# Altium PCB PCB.PcbDoc (part 1 of 3) (continued)
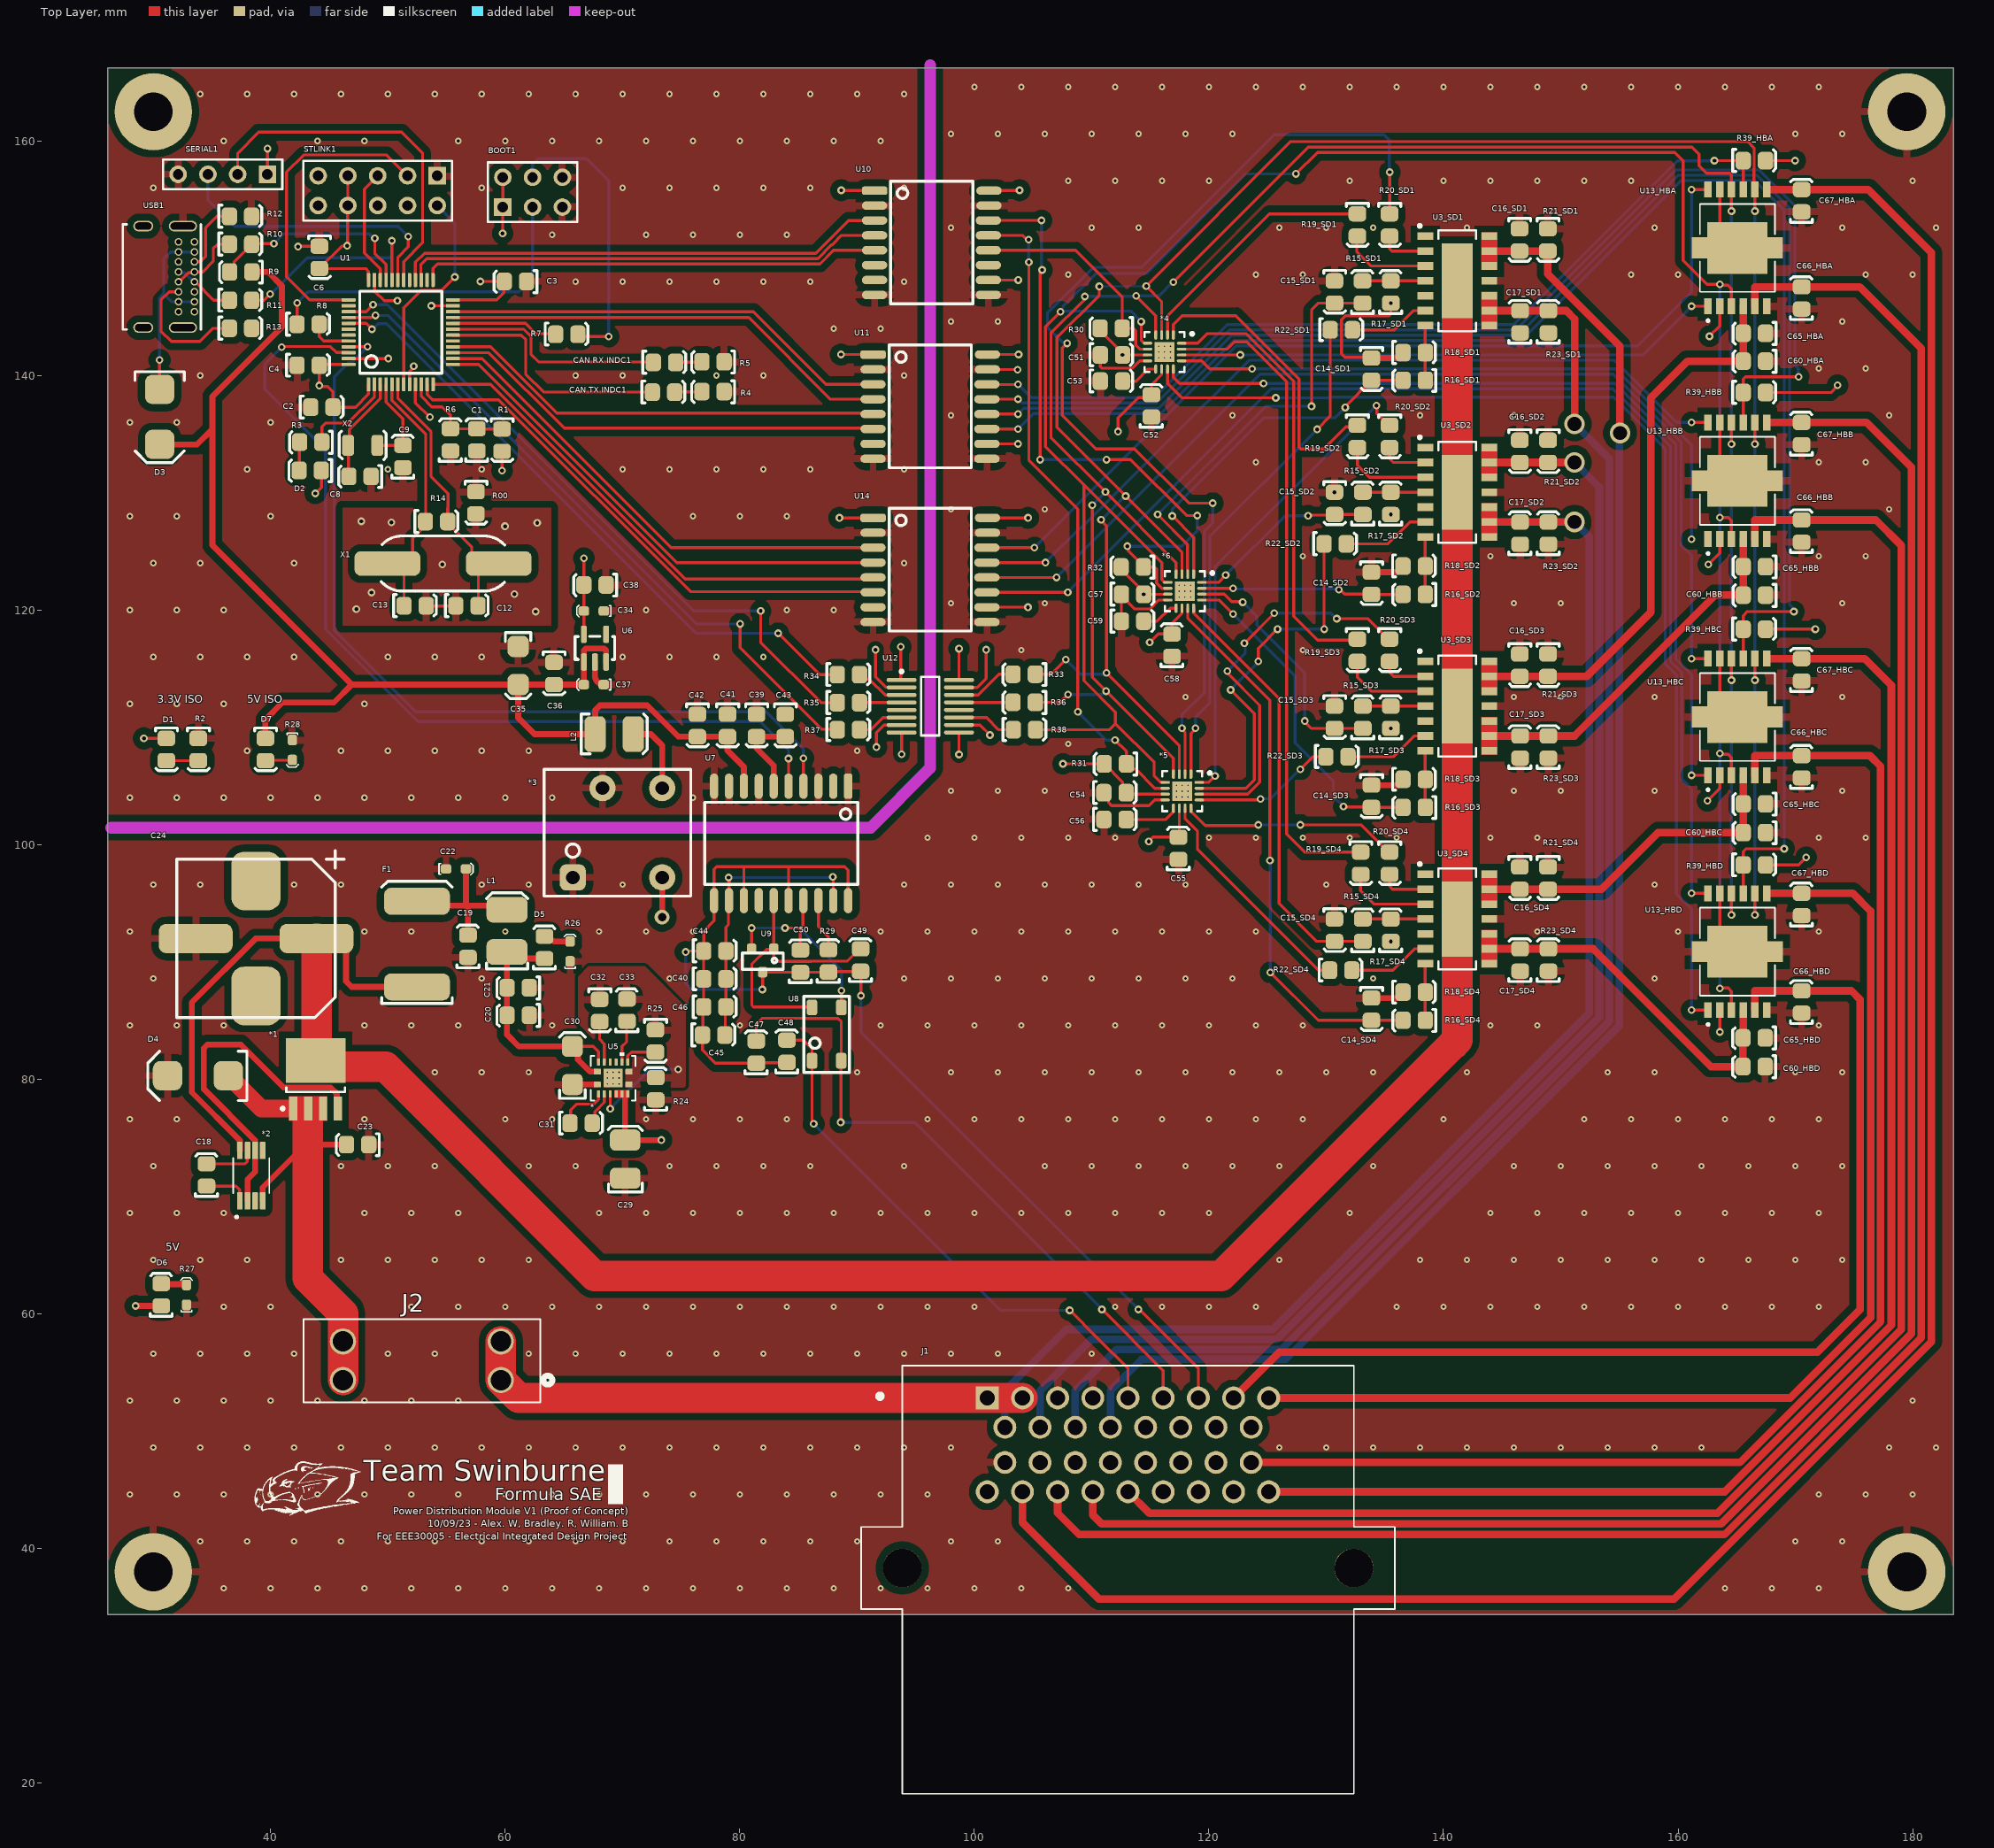
[diagram p0: Top Layer view]
## Footprints (in the part's own frame and the unit in brackets; to place one, negate y for a bottom-side part, rotate by r counter-clockwise, add the part's x,y. Pads: shape width x height; smd on the part's side, far side on the other; paste and mask are expansions set on the pad)
0603 [mm]
  rrect50% 0.9x0.8 smd: 1(0,0) 2(1.7,0)
  silkscreen extent -0.6,-0.5 2.3,0.5, body extent 0.05,-0.42 1.65,0.43, height 0.6
0805 [mm]
  rrect50% 1.3x1.5 smd: 1(-0.962,-0.026) 2(0.938,-0.026)
  silkscreen extent -1.85,-0.95 1.8,0.93, body extent -1,-0.65 1,0.66, height 0.73
"0805 LED" [mm]
  rrect50% 1.3x1.5 smd: A(-0.962,-0.026) K(0.938,-0.026)
  silkscreen extent -1.85,-0.95 1.8,0.93, body extent -1.09,-0.63 0.91,0.62, height 1
"1206 CAP" [mm]
  rrect50% 1.8x1.8 smd: 1(-2.81,0) 2(0.44,0)
  silkscreen extent -3.99,-1.09 1.62,1.09, body extent -2.75,-0.79 0.45,0.81, height 1.61
1210 [mm]
  rrect50% 1.8x2.6 smd: 1(-2.81,0) 2(0.44,0)
  silkscreen extent -3.99,-1.46 1.62,1.46, body extent -2.77,-1.26 0.43,1.24, height 2.51
1812 [mm]
  rrect50% 2.2x3.5 smd: 1(-1.8,0) 2(1.8,0)
  silkscreen extent -3.25,-1.75 3.25,1.75, body extent -2.25,-1.6 2.25,1.6, height 2.5
2920 [mm]
  rrect50% 2.3x5.6 smd: 1(0,0) 2(7.3,0)
  silkscreen extent -1.4,-3 9,3, body extent -0.34,-2.81 7.64,2.81, height 1.14
35572 [mil]
  round 88 / inner round 60 / far side round 88 hole 68 paste-44 mask+0: 1(0,0) 2(0,-130) 3(530,0) 4(530,-130)
  silkscreen extent -172,-205 662,75
82473C [mm]
  rrect50% 1.8x3.05 smd: 1(-2.81,0) 2(0.44,0)
  silkscreen extent -3.99,-1.68 1.62,1.73, body extent -2.81,-1.25 0.45,1.26, height 2
6437288-1 [mm]
  rect 1.95x1.95 hole 1.3: 1(-12,4)
  round 1.95 hole 1.3: 2(-9,4) 3(-6,4) 4(-3,4) 5(0,4) 6(3,4) 7(6,4) 8(9,4) 9(12,4) 10(-10.5,1.5) 11(-7.5,1.5) 12(-4.5,1.5) 13(-1.5,1.5) 14(1.5,1.5) 15(4.5,1.5) 16(7.5,1.5) 17(10.5,1.5) 18(-10.5,-1.5) 19(-7.5,-1.5) 20(-4.5,-1.5) 21(-1.5,-1.5) 22(1.5,-1.5) 23(4.5,-1.5) 24(7.5,-1.5) 25(10.5,-1.5) 26(-12,-4) 27(-9,-4) 28(-6,-4) 29(-3,-4) 30(0,-4) 31(3,-4) 32(6,-4) 33(9,-4) 34(12,-4)
  round 3.3 hole 3.3 unplated: ""(-19.25,-10.5) ""(19.25,-10.5)
  silkscreen extent -22.75,-29.75 22.75,6.75
"Abracon HC-49/US" [mm]
  rrect50% 5.6x2.1 smd: 1(-4.75,0) 2(4.75,0)
  silkscreen extent -5.27,-2.35 5.25,2.35, body extent -6.35,-2.35 6.35,2.35, height 4.06
"AD 16-SOIC" [mil]
  rrect50% 28x85 smd: 1(-225,-192.02)
  oval 28x85 smd: 2(-175,-192.02) 3(-125,-192.02) 4(-75,-192.02) 5(-25,-192.02) 6(25,-192.02) 7(75,-192.02) 8(125,-192.02) 9(125,190) 10(75,189.96) 11(25,189.96) 12(-25,189.96) 13(-75,189.96) 14(-125,189.96) 15(-175,191.98) 16(-225,191.98)
  silkscreen extent -257,-138 155,138, body extent -256,-209 156,209, height 104
"AD SOIC-W 20" [mil]
  rrect50% 28x85 smd: 1(-225,-192.02)
  oval 28x85 smd: 2(-175,-192.02) 3(-125,-192.02) 4(-75,-192.02) 5(-25,-192.02) 6(25,-192.02) 7(75,-192.02) 8(125,-192.02) 9(175,-192.02) 10(225,-192.02) 11(225,192.02) 12(175,191.98) 13(125,191.98) 14(75,191.98) 15(25,191.98) 16(-25,191.98) 17(-75,191.98) 18(-125,191.98) 19(-175,191.98) 20(-225,191.98)
  silkscreen extent -257,-138 256,138, body extent -260,-210 260,210, height 105
ADI-RQ-16_M [mm] "SOP, 16-Leads, Body 4.9x3.9mm, Pitch 0.64mm, IPC Low Density"
  oval 2.55x0.35 smd: 1(-2.45,2.24) 2(-2.45,1.6) 3(-2.45,0.96) 4(-2.45,0.32) 5(-2.45,-0.32) 6(-2.45,-0.96) 7(-2.45,-1.6) 8(-2.45,-2.24) 9(2.45,-2.24) 10(2.45,-1.6) 11(2.45,-0.96) 12(2.45,-0.32) 13(2.45,0.32) 14(2.45,0.96) 15(2.45,1.6) 16(2.45,2.24)
  silkscreen extent -2.57,-2.5 0.77,3.09, body extent -2,-2.5 2,2.5, height 1.75
CONV_IFX9201SGAUMA1 [mm]
  rect 1.35x0.65 smd: 1(-4.975,2.5) 2(-4.975,1.5) 3(-4.975,0.5) 4(-4.975,-0.5) 5(-4.975,-1.5) 6(-4.975,-2.5) 7(4.975,-2.5) 8(4.975,-1.5) 9(4.975,-0.5) 10(4.975,0.5) 11(4.975,1.5) 12(4.975,2.5)
  rect 4.4x5.1 smd paste-4: 13(0,0)
  rect 1.8x1.35 smd paste-2: 13.1(0,3.225) 13.2(0,-3.225)
  silkscreen extent -6.3,-3.2 3.75,3.2, body extent -5.15,-3.9 5.15,3.9, height 2.6
"EPSON 2-SMD" [mm]
  rrect50% 1x1.8 smd: 1(-1.25,0) 2(1.25,0)
  silkscreen extent -2,-1.2 2,1.2, body extent -1.5,-1 1.5,1, height 1
MAXM17631AME+T [mil]
  rrect25% 24x10 smd paste-5 mask+0: 1(-53.15,49.21) 2(-53.15,29.53) 3(-53.15,9.84) 4(-53.15,-9.84) 5(-53.15,-29.53) 6(-53.15,-49.21) 9(53.15,-49.21) 10(53.15,-29.53) 11(53.15,-9.84) 12(53.15,9.84) 13(53.15,29.53) 14(53.15,49.21)
  rrect25% 20x24 smd paste+0 mask+0: 7(-21.65,-53.15) 8(21.65,-53.15) 15(21.65,53.15) 16(-21.65,53.15)
  rect 63x63 smd paste+0 mask+0: 17(0,0)
  silkscreen extent -75,-75 85,75, body extent -62,-62 62,62, height 71
NKE0505DC [mm] "DC DC CONVERTER 5V 1W"
  rrect50% 2.24x2.24 hole 1.15: 1(0,0)
  round 2.24 hole 1.15: 4(7.62,0) 5(7.62,7.62) 7(2.54,7.62)
  silkscreen extent -2.44,-1.59 10.06,9.21, body extent -1.94,-1.11 9.56,8.71, height 5.42
"ON SOT-23" [mm] "NUP2105L"
  rrect50% 0.8x0.9 smd: 1(-0.95,-1) 2(0.95,-1) 3(0,1)
  silkscreen extent -1.75,-0.65 1.75,0.75, body extent -1.5,-1.27 1.5,1.28, height 1
"PowerPak SO-8" [mm] "TO, 5-Pads, Body 5.34x5.86mm (max), IPC Medium Density"
  rect 2.05x0.7 smd: 1(-2.5,1.905) 2(-2.5,0.635) 3(-2.5,-0.635) 4(-2.5,-1.905)
  rect 3.8x5.1 smd: 5(1.6,0)
  silkscreen extent -2.62,-2.5 -0.7,2.93, body extent -1.55,-2.5 2.92,2.5, height 1.14
QFN50P300X300X80_HS-17N [mm] "QFN, 16-Leads, Body 3.00x3.00mm, Pitch 0.50mm, Thermal Pad 1.68x1.68mm, IPC Medium Density"
  oval 0.8x0.25 smd: 1(-1.45,-0.75) 2(-1.45,-0.25) 3(-1.45,0.25) 4(-1.45,0.75) 9(1.45,0.75) 10(1.45,0.25) 11(1.45,-0.25) 12(1.45,-0.75)
  oval 0.25x0.8 smd: 5(-0.75,1.45) 6(-0.25,1.45) 7(0.25,1.45) 8(0.75,1.45) 13(0.75,-1.45) 14(0.25,-1.45) 15(-0.25,-1.45) 16(-0.75,-1.45)
  rect 1.68x1.68 smd: 17(0,0)
  silkscreen extent -2.48,-1.7 1.7,1.7, body extent -1.55,-1.55 1.55,1.55, height 0.8
"SMB Diode" [mm]
  rrect50% 2.5x2.5 smd: A(-0.25,0) K(4.45,0)
  silkscreen extent -1.75,-2.1 6,2.1, body extent -0.69,-1.97 4.9,1.97, height 2.5
SOIC127P600X115-15N-V1 [mm] "SOIC,1.27mm,pitch;14 pin,3.90mm W X 8.65mm L X 1.15mm H body (w/thermal tab)"
  rect 1.34x0.65 smd paste+0 mask+0: 1(-2.73,3.81) 2(-2.73,2.54) 3(-2.73,1.27) 4(-2.73,0) 5(-2.73,-1.27) 6(-2.73,-2.54) 7(-2.73,-3.81) 8(2.73,-3.81) 9(2.73,-2.54) 10(2.73,-1.27) 11(2.73,0) 12(2.73,1.27) 13(2.73,2.54) 14(2.73,3.81)
  rect 2.65x6.4 smd paste-1.325 mask+0: 15(0,0)
  silkscreen extent -3.32,-4.3 1.6,4.81, body extent -3,-4.32 3,4.33, height 1.16
SOP65P490X110-8N [mm]
  rrect25% 1.47x0.48 smd: 1(-2.15,0.975) 2(-2.15,0.325) 3(-2.15,-0.325) 4(-2.15,-0.975) 5(2.15,-0.975) 6(2.15,-0.325) 7(2.15,0.325) 8(2.15,0.975)
  silkscreen extent -3.62,-1.54 1.5,1.54
"ST SMB DIODE" [mm]
  rrect50% 2.5x2.5 smd: A(2.6,0) K(-2.6,0)
  silkscreen extent -4.28,-2.12 4.17,2.08, body extent -2.88,-1.99 2.71,1.95, height 2.5
"STM 48-LQFP" [mm]
  rrect50% 0.3x1.2 smd mask+0.05: 1(-2.75,-4.45) 2(-2.25,-4.45) 3(-1.75,-4.45) 4(-1.25,-4.45) 5(-0.75,-4.45) 6(-0.25,-4.45) 7(0.25,-4.45) 8(0.75,-4.45) 9(1.25,-4.45) 10(1.75,-4.45) 11(2.25,-4.45) 12(2.75,-4.45) 25(2.75,4.45) 26(2.25,4.45) 27(1.75,4.45) 28(1.25,4.45) 29(0.75,4.45) 30(0.25,4.45) 31(-0.25,4.45) 32(-0.75,4.45) 33(-1.25,4.45) 34(-1.75,4.45) 35(-2.25,4.45) 36(-2.75,4.45)
  rrect50% 1.2x0.3 smd mask+0.05: 13(4.45,-2.75) 14(4.45,-2.25) 15(4.45,-1.75) 16(4.45,-1.25) 17(4.45,-0.75) 18(4.45,-0.25) 19(4.45,0.25) 20(4.45,0.75) 21(4.45,1.25) 22(4.45,1.75) 23(4.45,2.25) 24(4.45,2.75) 37(-4.45,2.75) 38(-4.45,2.25) 39(-4.45,1.75) 40(-4.45,1.25) 41(-4.45,0.75) 42(-4.45,0.25) 43(-4.45,-0.25) 44(-4.45,-0.75) 45(-4.45,-1.25) 46(-4.45,-1.75) 47(-4.45,-2.25) 48(-4.45,-2.75)
  silkscreen extent -3.5,-3.5 3.5,3.5, body extent -4.6,-4.6 4.6,4.6, height 1.6
"TDK 4-PC Pad" [mm]
  rrect50% 1.35x0.9 smd: 1(0,0) 2(0,-2.5) 3(4.55,-2.5) 4(4.55,0)
  silkscreen extent -1,-3.2 5.5,0.7, body extent -0.02,-2.82 4.48,0.38, height 2.8
"TH 2.54mm Header 1x4" [mm]
  rect 1.5x1.5 hole 0.9: 1(0,0)
  round 1.5 hole 0.9: 2(2.54,0) 3(5.08,0) 4(7.62,0)
  silkscreen extent -1.27,-1.27 8.89,1.27, body extent -1.27,-1.27 8.89,1.27, height 9.5
"TH 2.54mm Header 2x3" [mm]
  rect 1.5x1.5 hole 0.9: 1(0,0)
  round 1.5 hole 0.9: 2(0,2.54) 3(2.54,0) 4(2.54,2.54) 5(5.08,0) 6(5.08,2.54)
  silkscreen extent -1.27,-1.27 6.35,3.81, body extent -1.27,-1.27 6.35,3.81, height 9.5
"TH 2.54mm Header 2x5" [mm]
  rect 1.5x1.5 hole 0.9: 1(0,0)
  round 1.5 hole 0.9: 2(0,2.54) 3(2.54,0) 4(2.54,2.54) 5(5.08,0) 6(5.08,2.54) 7(7.62,0) 8(7.62,2.54) 9(10.16,0) 10(10.16,2.54)
  silkscreen extent -1.27,-1.27 11.43,3.81, body extent -1.27,-1.27 11.43,3.81, height 9.5
"TI SOT-23-5" [mil]
  rrect50% 19x58 smd: 1(0,0) 2(37.4,0) 3(74.8,0) 4(74.8,93) 5(0,93)
  silkscreen extent -30,8 103,86, body extent -23,-12 97,106, height 57
USB4085-GF-A [mm]
  round 0.65 hole 0.4: A1(-2.848,4.025) A4(-1.998,4.025) A5(-1.148,4.025) A6(-0.298,4.025) A7(0.552,4.025) A8(1.402,4.025) A9(2.252,4.025) A12(3.102,4.025) B1(3.102,2.675) B4(2.252,2.675) B5(1.402,2.675) B6(0.552,2.675) B7(-0.298,2.675) B8(-1.148,2.675) B9(-1.998,2.675) B12(-2.848,2.675)
  oval 0.9x2.4 hole 0.6 slot 2.1 at 90 deg: P1(-4.198,3.045) P2(4.452,3.045)
  oval 0.9x1.7 hole 0.6 slot 1.4 at 90 deg: P3(4.452,-0.335) P4(-4.198,-0.335)
  silkscreen extent -4.35,-2.07 4.6,4.58, body extent -4.39,-4.56 4.64,4.61, height 3.46
"Vishay Radial 1213" [mm]
  rrect50% 4.2x5 smd: 0(0,-4.9) 0(0,4.9)
  rrect50% 6.3x2.5 smd: 1(-5.15,0) 2(5.15,0)
  silkscreen extent -6.75,-6.75 7.5,7.5, body extent -7.45,-6.45 7.45,6.45, height 14.31

## Part data
*1: "MOSFET N-CH 40V 30A PPAK SO-8", Digikey Part Number=742-SQJA88EP-T1_GE3TR-ND, Manufacturer="Vishay Siliconix", Rated Power=48W, Part Number=SQJA88EP-T1_GE3, Type=N-channel
*2: "Hot Swap Voltage Controllers Zero Iq Reverse Polarity Protection", Manufacturer="Texas Instruments", Part Number=LM74610QDGKTQ1
*3: "DC DC CONVERTER 5V 1W", Digikey Part Number=811-1433-5-ND, Input Voltage="4.5 to 5.5", Manufacturer="Murata Power Solutions Inc.", Output Current="200 mA", Output Voltage=5V, Part Number=NKE0505DC
*4 *5 *6: library part ADS7028IRTER, "IC ADC 12BIT SAR 16WQFN", Manufacturer="Texas Instruments", Digikey Link=https://www.digikey.com.au/en/products/detail/texas-instruments/ADS7028IRTER/12696020?s=N4IgTCBcDaIIIBEDKB2ADGAHASQEoBUBRXEAXQF8g, Digikey Part Number=ADS7028IRTER, Part Number=ADS7028IRTER
BOOT1: library part "TH 2.54mm Header 2x3", Angle=0, Contact=NA, Flange=No, Part Number="TH 2.54mm Header 2x3", Pitch=2.54mm, Positions=6, Row Spacing=2.54mm
C1 C3 C4 C6 C21 C31 C39 C40 C42 C44 C65_HBA C65_HBB C65_HBC C65_HBD: library part GCM21BR71H104KA37L, Digikey Part Number=490-6064-1-ND, Manufacturer=muRata, Rated Voltage=50V, Temperature Rating=X7R, Tolerance=±10%, Material=MLCC, Part Number=GCM21BR71H104KA37L
C2 C36 C38 C51 C52 C53 C54 C55 C56 C57 C58 C59: library part GCM21BR71H105KA03L, Digikey Part Number=490-10675-1-ND, Manufacturer=muRata, Rated Voltage=50V, Temperature Rating=X7R, Tolerance=±10%, Material=MLCC, Part Number=GCM21BR71H105KA03L
C8 C9 C12 C13: library part GRM21A5C2E220JW01D, Digikey Part Number=490-5534-1-ND, Manufacturer=muRata, Rated Voltage=250V, Temperature Rating="C0G, NP0", Tolerance=±5%, Material=MLCC, Part Number=GRM21A5C2E220JW01D
C14_SD1 C14_SD2 C14_SD3 C14_SD4 C15_SD1 C15_SD2 C15_SD3 C15_SD4 C23 C47 C48 C49 C50: library part GCM2165C1H101JA16D, Digikey Part Number=490-8031-1-ND, Manufacturer=muRata, Rated Voltage=50V, Temperature Rating="C0G, NP0", Tolerance=±5%, Material=MLCC, Part Number=GCM2165C1H101JA16D
C16_SD1 C16_SD2 C16_SD3 C16_SD4 C17_SD1 C17_SD2 C17_SD3 C17_SD4 C41 C43 C45 C46: library part GCM2195C1H103JA16D, Digikey Part Number=490-4783-1-ND, Manufacturer=muRata, Rated Voltage=50V, Temperature Rating="C0G, NP0", Tolerance=±5%, Material=MLCC, Part Number=GCM2195C1H103JA16D
C18 C32: library part GRM21BR71E225KE11L, Digikey Part Number=490-14467-2-ND, Manufacturer="Murata Electronics", Rated Voltage=25V, Temperature Rating=X7R, Tolerance=±10%, Material=MLCC, Part Number=GRM21BR71E225KE11L
C19 C20 C60_HBA C60_HBB C60_HBC C60_HBD: library part GRM21BR6YA106KE43L, Digikey Part Number=490-10514-6-ND, Manufacturer=muRata, Rated Voltage=50V, Temperature Rating=X5R, Tolerance=10%, Material=MLCC, Part Number=GRM21BR6YA106KE43L
C22 C34 C37: library part GCM188L81H104KA57D, Digikey Part Number=490-6049-1-ND, Manufacturer=muRata, Rated Voltage=50V, Temperature Rating=X8L, Tolerance=±10%, Material=MLCC, Part Number=GCM188L81H104KA57D
C24: library part MAL214699106E3, Digikey Part Number=4440PHCT-ND, Manufacturer=Vishay, Rated Voltage=50V, Temperature Rating=125C, Tolerance=20%, Material="Aluminium Electrolytic", Part Number=MAL214699106E3
C29: library part GRM32ER71E226KE15L, Digikey Part Number=490-5313-2-ND, Manufacturer="Murata Electronics", Rated Voltage=25V, Temperature Rating=X7R, Tolerance=±10%, Material=MLCC, Part Number=GRM32ER71E226KE15L
C30 C35: library part GRM31CR71H475KA12K, Digikey Part Number=490-GRM31CR71H475KA12KTR-ND, Manufacturer="Murata Electronics", Rated Voltage=50V, Temperature Rating=X7R, Tolerance=±10%, Material=MLCC, Part Number=GRM31CR71H475KA12K
C33: library part GCM2195C1H682JA16D, Digikey Part Number=490-4974-1-ND, Manufacturer=muRata, Rated Voltage=50V, Temperature Rating="C0G, NP0", Tolerance=±5%, Material=MLCC, Part Number=GCM2195C1H682JA16D
C66_HBA C66_HBB C66_HBC C66_HBD C67_HBA C67_HBB C67_HBC C67_HBD: library part GCM21B5C1H223JA16L, Digikey Part Number=490-5318-1-ND, Manufacturer=muRata, Rated Voltage=50V, Temperature Rating="C0G, NP0", Tolerance=±5%, Material=MLCC, Part Number=GCM21B5C1H223JA16L
"CAN RX INDC1" "CAN TX INDC1": library part SML-MN2BCTT86C, "LED BLUE CLEAR 2012 SMD", Colour=Blue, Digikey Part Number=846-1207-1-ND, Manufacturer="ROHM Semiconductor", Digikey Link=https://www.digikey.com/product-detail/en/rohm-semiconductor/SMLMN2BCTT86C/846-1207-1-ND/6057239, Part Number=SML-MN2BCTT86C
D1 D2: library part SML-210LTT86, "Red LED Indication - Discrete 1.75V 0805 (2012 Metric)", Colour=Red, Digikey Part Number=511-1286-1-ND, Manufacturer="ROHM Semiconductor", Digikey Link=https://www.digikey.com/product-detail/en/rohm-semiconductor/SML-210LTT86/511-1286-1-ND/637099, Part Number=SML-210LTT86
D3: Breakdown Voltage="600 V", Digikey Part Number=1655-1530-2-ND, Forward Voltage="1.2 V", Manufacturer="SMC Diode Solutions", Part Number=SD560BTR
D4: Breakdown Voltage="30.8 V", Digikey Part Number=497-10804-1-ND, Manufacturer=STMicroelectronics, Rated Power=600W, Forward Voltage="30.8 V", Part Number=SM6T36CAY
D5 D6 D7: library part SML-210LTT86, "Red LED Indication - Discrete 1.75V 0805 (2012 Metric)", Digikey Part Number=511-1286-1-ND, Manufacturer="ROHM Semiconductor", Colour=Red, Part Number=SML-210LTT86
F1: "PTC RESET FUSE 60V 1A 292", Digikey Part Number=507-2070-1-ND, Manufacturer="Littelfuse Inc.", Digikey Link=https://www.digikey.com/product-detail/en/bel-fuse-inc/0ZCF0100AF2A/507-2070-1-ND/6210547, Part Number=0ZCF0100AF2A
J1: library part 6437288-1, "34 Position 4 Row Right Angle Receptacle Through Hole Super Seal Cap Assy", Digikey Part Number=A124384-ND, Package=None, Angle=90, Availability=Unavailable, Contact=Gold, Digikey Link=https://www.digikey.com.au/en/products/detail/te-connectivity-amp-connectors/6437288-1/5428601?s=N4IgTCBcDaIGwBYDMB2MAOdBaAjCAugL5A, MF="TE Connectivity", MP=6437288-1, Part Number=6437288-1, Pitch="3.0 mm", Positions=34, Price=None, SnapEDA_Link=https://www.snapeda.com/parts/6437288-1/TE%20Connectivity%20AMP%20Connectors/view-part/1468495/?ref=snap
J2: "FUSE BLOCK BLADE 500V 30A PCB", Digikey Part Number=36-3557-2-ND, Manufacturer="Keystone Electronics", Copyright="Copyright (C) 2023 Ultra Librarian. All rights reserved.", Digi-Key_Part_Number_1=3557-2K-ND, Digi-Key_Part_Number_2=36-3557-2-ND, Digi-Key_Part_Number_3=36-3557-2-NDL, Digikey Link=https://www.digikey.com.au/en/products/detail/keystone-electronics/3557-2/2137305?utm_adgroup=General&utm_source=google&utm_medium=cpc&utm_campaign=PMax%20Shopping_Product_Zombie%20SKUs&utm_term=&productid=2137305&utm_id=go_cmp-17853854068_adg-_ad-__dev-c_ext-_prd-2137305_sig-Cj0KCQjw9MCnBhCYARIsAB1WQVVuVnExTR_F6-Mn3-SBphXD6FivM1Reay6dOEaGii4CYk9YgAW6_PQaAhcnEALw_wcB&gad=1&gclid=Cj0KCQjw9MCnBhCYARIsAB1WQVVuVnExTR_F6-Mn3-SBphXD6FivM1Reay6dOEaGii4CYk9YgAW6_PQaAhcnEALw_wcB, Manufacturer_Part_Number=3557-2, Mfr_Name="Keystone Electronics", Part Number=3557-2, RefDes=RefDes, Type=DEV
L1: library part RLS-126, Digikey Part Number=945-3429-ND, Manufacturer=Recom, Rated Current="0.8 A", Tolerance=0.2, Impedance=230mOhm, Material=Wirewound, Part Number=RLS-126
L2: library part 82473C, Digikey Part Number=811-2477-2-ND, Manufacturer="Murata Power Solutions Inc.", Rated Current=250mA, Tolerance=0.1, Impedance="1.69 Ohms", Material=Wirewound, Part Number=82473C
R00 R24 R29: library part RC0805FR070RL, Digikey Part Number=311-0.0CRCT-ND, Manufacturer=YAGEO, Rated Power=0.125W, Tolerance=0.01, Material=FR-07, Part Number=RC0805FR070RL
R1 R8 R19_SD1 R19_SD2 R19_SD3 R19_SD4 R20_SD1 R20_SD2 R20_SD3 R20_SD4 R22_SD1 R22_SD2 R22_SD3 R22_SD4: library part RC0805FR0710KL, Digikey Part Number=311-10.0KCRCT-ND, Manufacturer=YAGEO, Rated Power=0.125W, Tolerance=0.01, Material=FR-07, Part Number=RC0805FR0710KL
R2 R3: library part RC0805FR07510RL, Digikey Part Number=311-510CRCT-ND, Manufacturer=YAGEO, Rated Voltage=0.125W, Tolerance=0.01, Material=FR-07, Part Number=RC0805FR07510RL
R4 R5: library part RC0805FR07680RL, Digikey Part Number=311-680CRCT-ND, Manufacturer=YAGEO, Rated Voltage=0.125W, Tolerance=0.01, Material=FR-07, Part Number=RC0805FR07680RL
R6: library part CMP-037-000418-3, Digikey Part Number=BC2733CT-ND, Rated Voltage=210mW, Tolerance=0.01
R7: library part RC0805FR0710KL, Digikey Part Number=311-10.0KCRCT-ND, Manufacturer=YAGEO, Rated Voltage=0.125W, Tolerance=0.01, Material=FR-07, Part Number=RC0805FR0710KL
R9: library part RC0805FR071K5L, Digikey Part Number=311-1.50KCRCT-ND, Manufacturer=YAGEO, Rated Power=0.125W, Tolerance=0.01, Material=FR-07, Part Number=RC0805FR071K5L
R10 R11: library part RC0805FR0720KL, Digikey Part Number=311-20.0KCRCT-ND, Manufacturer=YAGEO, Rated Power=0.125W, Tolerance=0.01, Material=FR-07, Part Number=RC0805FR0720KL
R12 R13: library part RC0805FR075K1L, Digikey Part Number=311-5.10KCRCT-ND, Manufacturer=YAGEO, Rated Power=0.125W, Tolerance=0.01, Material=FR-07, Part Number=RC0805FR075K1L
R14: library part RC0805FR0710ML, Digikey Part Number=311-10.0MCRCT-ND, Manufacturer=YAGEO, Rated Power=0.125W, Tolerance=0.01, Material=FR-07, Part Number=RC0805FR0710ML
R15_SD1 R15_SD2 R15_SD3 R15_SD4 R16_SD1 R16_SD2 R16_SD3 R16_SD4: library part RC0805FR074K7L, Digikey Part Number=311-4.70KCRCT-ND, Manufacturer=YAGEO, Rated Power=0.125W, Tolerance=0.01, Material=FR-07, Part Number=RC0805FR074K7L
R17_SD1 R17_SD2 R17_SD3 R17_SD4 R18_SD1 R18_SD2 R18_SD3 R18_SD4: library part RC0805FR071K8L, Digikey Part Number=311-1.80KCRCT-ND, Manufacturer=YAGEO, Rated Power=0.125W, Tolerance=0.01, Material=FR-07, Part Number=RC0805FR071K8L
R21_SD1 R21_SD2 R21_SD3 R21_SD4 R23_SD1 R23_SD2 R23_SD3 R23_SD4: library part RC0805FR0747KL, Digikey Part Number=311-47.0KCRCT-ND, Manufacturer=YAGEO, Rated Power=0.125W, Tolerance=0.01, Material=FR-07, Part Number=RC0805FR0747KL
R25: library part RC0805FR0715KL, Digikey Part Number=311-15.0KCRCT-ND, Manufacturer=YAGEO, Rated Power=0.125W, Tolerance=0.01, Material=FR-07, Part Number=RC0805FR0715KL
R26: library part RC0603FR-0720KL, Digikey Part Number=311-20.0KHRCT-ND, Manufacturer=YAGEO, Rated Power=0.1W, Tolerance=0.01, Part Number=RC0603FR-0720KL
R27 R28: library part RC0603FR-072KL, Digikey Part Number=311-2.00KHRCT-ND, Manufacturer=YAGEO, Rated Power=0.1W, Tolerance=0.01, Part Number=RC0603FR-072KL
R30 R31 R32 R39_HBA R39_HBB R39_HBC R39_HBD: library part RC0805FR07100KL, Digikey Part Number=311-100KCRCT-ND, Manufacturer=YAGEO, Rated Power=0.125W, Tolerance=0.01, Material=FR-07, Part Number=RC0805FR07100KL
R33 R34 R35 R36 R37 R38: library part RC0805FR0720RL, Digikey Part Number=311-20.0CRCT-ND, Manufacturer=YAGEO, Rated Power=0.125W, Tolerance=0.01, Material=FR-07, Part Number=RC0805FR0720RL
SERIAL1: library part "TH 2.54mm Header 1x4", Angle=0, Contact=NA, Flange=No, Part Number="TH 2.54mm Header 1x4", Pitch=2.54mm, Positions=4, Row Spacing=2.54mm
STLINK1: library part "TH 2.54mm Header 2x5", Angle=0, Contact=NA, Flange=No, Part Number="TH 2.54mm Header 2x5", Pitch=2.54mm, Positions=10, Row Spacing=2.54mm
U1: library part STM32F103C8T6, "ARM® Cortex®-M3 STM32F1 Microcontroller IC 32-Bit 72MHz 64KB (64K x 8) FLASH", Digikey Part Number=497-6063-ND, Manufacturer=STMicroelectronics, Digikey Link=https://www.digikey.com/product-detail/en/stmicroelectronics/STM32F103C8T6/497-6063-ND/1646338, Part Number=STM32F103C8T6
U3_SD1 U3_SD2 U3_SD3 U3_SD4: library part BTF60702ERVXUMA1, "Smart High-Side Power Switch, Dual Channel", Digikey Part Number=448-BTF60702ERVXUMA1TR-ND, Manufacturer="Infineon Technologies", Digikey Link=https://www.digikey.com.au/en/products/detail/infineon-technologies/BTF60702ERVXUMA1/10379692, ManufacturerPartNumber=BTF6070-2ERV, PackageReference=PG-TDSO-14-21, Part Number=BTF60702ERVXUMA1
U5: "DC DC CONVERTER 5V", Digikey Part Number=175-MAXM17631AME+TTR-ND, Input Voltage="4.5 to 36 V", Manufacturer="Analog Devices", Mfr_Name="Analog Devices Inc", Output Current="1.0 A", Output Voltage=5V, Digi-Key_Part_Number_1=175-MAXM17631AME+TTR-ND, Part Number=MAXM17631AME+T, RefDes=RefDes, Type=Type
U6: "IC REG LINEAR 3.3V 200MA SOT23-5", Digikey Part Number=296-27780-1-ND, Input Voltage="2 to 5.5 V", Manufacturer="Texas Instruments", Output Current="0.2 A", Output Voltage="3.3 V", Part Number=TLV70033-Q1
U7: library part ADM3053, "Isolated CAN Transceiver", Digikey Part Number=ADM3053BRWZ-ND, Manufacturer="Analogue Devices", Digikey Link=https://www.digikey.com/product-detail/en/analog-devices-inc/ADM3053BRWZ/ADM3053BRWZ-ND/2709332, Part Number=ADM3053
U8: Digikey Part Number=495-4598-1-ND, Manufacturer="EPCOS (TDK)", Rated Current=150mA, Impedance="5.8 kOhms @ 10MHz", Material=Wirewound, Part Number=B82787C0104H002
U9: "Dual Line CAN Bus Protector", Digikey Part Number=NUP2105LT1GOSCT-ND, Manufacturer="ON Semiconductor", Digikey Link=https://www.digikey.com/product-detail/en/on-semiconductor/NUP2105LT1G/NUP2105LT1GOSCT-ND/1485001, Part Number=NUP2105L
U10 U11 U14: "General Purpose Digital Isolator 2500Vrms 4 Channel 1Mbps 25kV/µs CMTI 16-SOIC (0.295\", 7.50mm Width)", Digikey Part Number=ADUM1400WSRWZ-ND, Manufacturer="Analog Devices", Digikey Link=https://www.digikey.com/product-detail/en/analog-devices-inc/ADUM1400WSRWZ/ADUM1400WSRWZ-ND/1873713, Part Number=ADuM1400
U12: library part ADUM7441ARQZ-RL7, "DGTL ISO 1000VRMS 4CH GP 16QSOP", Digikey Part Number=ADUM7441ARQZ-RL7TR-ND, Manufacturer="Analog Devices", Digikey Link=https://www.digikey.com.au/en/products/detail/analog-devices-inc/ADUM7441ARQZ-RL7/2261109?s=N4IgTCBcDaIIIBECqBZA7AFgwRjgJQEUAtAWjwBk0QBdAXyA, Part Number=ADUM7441ARQZ-RL7
U13_HBA U13_HBB U13_HBC U13_HBD: "IC HALF BRIDGE DRIVER 6A 12DSO", Digikey Part Number=IFX9201SGAUMA1TR-ND, Manufacturer="Infineon Technologies", Package="BSOP-12 Infineon", Availability="In Stock", Check_prices=https://www.snapeda.com/parts/IFX9201SGAUMA1/Infineon+Technologies/view-part/?ref=eda, Digikey Link=https://www.digikey.com.au/en/products/detail/infineon-technologies/IFX9201SGAUMA1/5415542, MF="Infineon Technologies", MP=IFX9201SGAUMA1, Part Number=IFX9201SGAUMA1, Price=None, Purchase-URL=https://pricing.snapeda.com/search/part/IFX9201SGAUMA1/?ref=eda, SnapEDA_Link=https://www.snapeda.com/parts/IFX9201SGAUMA1/Infineon+Technologies/view-part/?ref=snap
USB1: library part USB4085-GF-A, "USB - C (Type - C) USB 2.0 Receptacle Connector 16 Position Through Hole, Right Angle", Digikey Part Number=2073-USB4085-GF-ACT-ND, Angle=90, Digikey Link=https://www.digikey.ee/product-detail/en/gct/USB4085-GF-A/2073-USB4085-GF-ACT-ND/9859733, Part Number=USB4085-GF-A
X1: library part ABLS-8.000MHZ-B4-T, Digikey Part Number=535-10212-2-ND, Load Capacitance=18pF, Manufacturer="Abracon LLC", Digikey Link=https://www.digikey.com/product-detail/en/abracon-llc/ABLS-8.000MHZ-B4-T/535-10212-2-ND/2184155, ESR=80R, Part Number=ABLS-8.000MHZ-B4-T
X2: library part "FC-135 32.7680KA-A5", Digikey Part Number=SER4103TR-ND, Load Capacitance=12.5pF, Manufacturer=EPSON, Digikey Link=https://www.digikey.com/product-detail/en/epson/FC-135-32.7680KA-A5/SER4103TR-ND/5259895, ESR=70k, Part Number="FC-135 32.7680KA-A5"

## Free pads (board coordinates)
  round 6.6 hole 3.3: 2(30,38) 2(30,162.5) 2(179.5,38) 2(179.5,162.5)

## Via types
v1: diameter 0.55, hole 0.25, Top Layer to Bottom Layer, tented both sides, 563 vias
v2: diameter 0.66, hole 0.33, Top Layer to Bottom Layer, tented both sides, 193 vias
v3: diameter 0.254, hole 0.127, Top Layer to Bottom Layer, tented both sides, 36 vias
v4: diameter 1.75, hole 1.191, Top Layer to Bottom Layer, tented both sides, 4 vias
v5: diameter 1.27, hole 0.711, Top Layer to Bottom Layer, tented both sides, 1 vias

## Nets (pads, with @x,y where several pads share a name; then routed paths per layer and width w, separated by ;. In a path a pad name is that pad's centre, name@x,y a point inside that pad or via, vN(x,y) a via of type N, cw(c..) or ccw(c..) an arc to the next point about the centre after c; other vN are vias at no path point)
0V: *3.1 *4.9 *5.9 *6.9 C14_SD1.1 C14_SD2.1 C14_SD3.1 C14_SD4.1 C15_SD1.1 C15_SD2.1 C15_SD3.1 C15_SD4.1 C16_SD1.1 C16_SD2.1 C16_SD3.1 C16_SD4.1 C17_SD1.1 C17_SD2.1 C17_SD3.1 C17_SD4.1 C19.1 C20.1 C21.1 C22.1 C23.1 C24.1 C29.1 C30.1 C51.1 C52.1 C53.1 C54.1 C55.1 C56.1 C57.1 C58.1 C59.1 C60_HBA.1 C60_HBB.1 C60_HBC.1 C60_HBD.1 C65_HBA.1 C65_HBB.1 C65_HBC.1 C65_HBD.1 C66_HBA.1 C66_HBB.1 C66_HBC.1 C66_HBD.1 C67_HBA.1 C67_HBB.1 C67_HBC.1 C67_HBD.1 D4.K J1.3 J1.4 J1.18 J1.19 J1.20 J1.21 pad.2@30,38 pad.2@179.5,38 pad.2@179.5,162.5 R17_SD1.1 R17_SD2.1 R17_SD3.1 R17_SD4.1 R18_SD1.1 R18_SD2.1 R18_SD3.1 R18_SD4.1 R21_SD1.1 R21_SD2.1 R21_SD3.1 R21_SD4.1 R23_SD1.1 R23_SD2.1 R23_SD3.1 R23_SD4.1 R24.1 R26.1 R27.1 U3_SD1.11 U3_SD2.11 U3_SD3.11 U3_SD4.11 U5.16 U5.17 U10.9 U10.15 U11.9 U11.15 U12.9 U12.15 U13_HBA.6 U13_HBA.11 U13_HBA.13 U13_HBA.13.1 U13_HBA.13.2 U13_HBB.6 U13_HBB.11 U13_HBB.13 U13_HBB.13.1 U13_HBB.13.2 U13_HBC.6 U13_HBC.11 U13_HBC.13 U13_HBC.13.1 U13_HBC.13.2 U13_HBD.6 U13_HBD.11 U13_HBD.13 U13_HBD.13.1 U13_HBD.13.2 U14.9 U14.15 | length 76.1
  Top Layer w0.25: v2(98.688,107.688) U12.9@98.688,109.566 ; U12.15@98.688,113.406 100.231,113.406 101,114.175 v2(101,116.625) ; U11.15@101.115,140.524 101.127,140.512 103.663,140.512 v2(103.675,140.5) ; C51.1@110.738,141.757 110.738,140.771 110.884,140.625 113.461,140.625 114.093,141.257 *4.9@114.765,141.257 ; C54.1@111.04,104.432 111.441,104.03 111.441,103.584 111.7,103.325 114.875,103.325 115.362,103.812 *5.9@116.27,103.812 ; C59.1@112.537,119.051 C57.1@112.537,121.245 ; C57.1@112.537,121.345 C57.1@112.537,121.245 ; *6.9@116.494,120.861 115.719,120.861 114.958,120.1 113.682,120.1 C57.1@112.537,121.245 ; C14_SD1.1@133.855,141.494 133.799,141.55 131.6,141.55 131.3,141.85 131.3,144.775 131.625,145.1 135.361,145.1 135.507,145.246 v2(135.507,146.177) ; U13_HBD.11@163.556,95.852 163.556,92.377 U13_HBD.13@165.056,90.877 ; U13_HBC.11@163.556,115.862 163.556,112.387 U13_HBC.13@165.056,110.887 ; U13_HBB.11@163.556,136.002 163.556,132.527 U13_HBB.13@165.056,131.027 ; U13_HBA.11@163.556,155.859 163.556,152.384 U13_HBA.13@165.056,150.884
  Top Layer w0.5: C30.1@65.725,79.55 U5.16@67.85,79.55 ; U5.17@68.65,79.55 ccw(c68.65,80.1) U5.17@69.2,80.1 ; C14_SD4.1@133.855,86.928 136.113,86.928 136.545,87.36 R18_SD4.1@136.545,87.419 ; C14_SD3.1@133.855,105.078 136.116,105.078 136.545,105.507 R18_SD3.1@136.545,105.567 ; C14_SD2.1@133.855,123.239 136.091,123.239 136.545,123.693 R18_SD2.1@136.545,123.752 ; C14_SD1.1@133.855,141.494 136.143,141.494 136.544,141.895 R18_SD1.1@136.544,141.955
  other v1: 36,36.6 40,36.6 44,36.6 48,36.6 52,36.6 56,36.6 60,36.6 64,36.6 68,36.6 72,36.6 76,36.6 80,36.6 84,36.6 88,36.6 92,36.6 96,36.6 100,36.6 104,36.6 108,36.6 164,36.6 168,36.6 172,36.6 34,40.6 38,40.6 42,40.6 46,40.6 50,40.6 54,40.6 58,40.6 62,40.6 66,40.6 70,40.6 74,40.6 78,40.6 82,40.6 86,40.6 90,40.6 98,40.6 102,40.6 170,40.6 174,40.6 28,44.6 32,44.6 36,44.6 40,44.6 44,44.6 48,44.6 52,44.6 56,44.6 60,44.6 64,44.6 68,44.6 72,44.6 76,44.6 80,44.6 84,44.6 88,44.6 92,44.6 96,44.6 172,44.6 176,44.6 180,44.6 30,48.6 34,48.6 38,48.6 42,48.6 46,48.6 50,48.6 54,48.6 58,48.6 62,48.6 66,48.6 70,48.6 74,48.6 78,48.6 82,48.6 86,48.6 90,48.6 94,48.6 98,48.6 126,48.6 130,48.6 134,48.6 138,48.6 142,48.6 146,48.6 150,48.6 154,48.6 158,48.6 162,48.6 178,48.6 182,48.6 28,52.6 32,52.6 36,52.6 40,52.6 44,52.6 48,52.6 52,52.6 56,52.6 180,52.6 30,56.6 34,56.6 38,56.6 42,56.6 50,56.6 54,56.6 62,56.6 66,56.6 70,56.6 74,56.6 78,56.6 82,56.6 86,56.6 90,56.6 94,56.6 98,56.6 102,56.6 110,56.6 36,60.6 40,60.6 52,60.6 56,60.6 60,60.6 64,60.6 68,60.6 72,60.6 76,60.6 80,60.6 84,60.6 88,60.6 92,60.6 96,60.6 100,60.6 112,60.6 116,60.6 120,60.6 124,60.6 136,60.6 140,60.6 144,60.6 148,60.6 152,60.6 156,60.6 160,60.6 164,60.6 168,60.6 172,60.6 30,64.6 34,64.6 38,64.6 46,64.6 50,64.6 54,64.6 58,64.6 62,64.6 126,64.6 138,64.6 142,64.6 146,64.6 150,64.6 154,64.6 158,64.6 162,64.6 166,64.6 170,64.6 174,64.6 28,68.6 32,68.6 36,68.6 48,68.6 52,68.6 56,68.6 68,68.6 72,68.6 76,68.6 80,68.6 84,68.6 88,68.6 92,68.6 96,68.6 100,68.6 104,68.6 108,68.6 112,68.6 116,68.6 120,68.6 132,68.6 144,68.6 148,68.6 152,68.6 156,68.6 160,68.6 164,68.6 168,68.6 172,68.6 30,72.6 46,72.6 50,72.6 54,72.6 62,72.6 66,72.6 74,72.6 78,72.6 82,72.6 86,72.6 94,72.6 106,72.6 110,72.6 114,72.6 118,72.6 122,72.6 126,72.6 134,72.6 146,72.6 150,72.6 154,72.6 158,72.6 162,72.6 166,72.6 170,72.6 174,72.6 28,76.6 32,76.6 48,76.6 60,76.6 64,76.6 72,76.6 76,76.6 80,76.6 84,76.6 96,76.6 100,76.6 104,76.6 108,76.6 112,76.6 116,76.6 120,76.6 124,76.6 128,76.6 140,76.6 152,76.6 156,76.6 160,76.6 164,76.6 168,76.6 172,76.6 54,80.6 58,80.6 62,80.6 90,80.6 98,80.6 102,80.6 106,80.6 110,80.6 114,80.6 118,80.6 122,80.6 126,80.6 130,80.6 134,80.6 142,80.6 154,80.6 158,80.6 170,80.6 174,80.6 28,84.6 32,84.6 36,84.6 48,84.6 52,84.6 56,84.6 64,84.6 80,84.6 92,84.6 96,84.6 100,84.6 104,84.6 108,84.6 112,84.6 116,84.6 120,84.6 124,84.6 128,84.6 144,84.6 148,84.6 172,84.6 30,88.6 58,88.6 74,88.6 94,88.6 98,88.6 102,88.6 106,88.6 110,88.6 114,88.6 118,88.6 122,88.6 134,88.6 158,88.6 28,92.6 48,92.6 52,92.6 60,92.6 68,92.6 72,92.6 76,92.6 92,92.6 96,92.6 100,92.6 104,92.6 108,92.6 112,92.6 116,92.6 120,92.6 124,92.6 148,92.6 160,92.6 172,92.6 30,96.6 34,96.6 42,96.6 46,96.6 58,96.6 62,96.6 70,96.6 94,96.6 98,96.6 102,96.6 106,96.6 110,96.6 114,96.6 118,96.6 130,96.6 158,96.6 96,100.6 100,100.6 104,100.6 108,100.6 112,100.6 120,100.6 124,100.6 128,100.6 132,100.6 136,100.6 144,100.6 148,100.6 172,100.6 176,100.6 98,104.6 102,104.6 106,104.6 146,104.6 150,104.6 158,104.6 174,104.6 108,108.6 118,112.6 146,112.6 150,112.6 158,112.6 174,112.6 104,116.6 128,116.6 98,120.6 106,120.6 146,120.6 150,120.6 174,120.6 128,124.6 144,124.6 172,124.6 176,124.6 98,128.6 106,128.6 178,128.6 124,132.6 172,132.6 176,132.6 98,136.6 122,136.6 138,136.6 146,136.6 178,136.6 172,140.6 176,140.6 98,144.6 102,144.6 174,144.6 108,148.6 124,148.6 128,148.6 156,148.6 160,148.6 176,148.6 180,148.6 98,152.6 110,152.6 114,152.6 126,152.6 130,152.6 134,152.6 142,152.6 158,152.6 174,152.6 182,152.6 108,156.6 112,156.6 116,156.6 120,156.6 132,156.6 140,156.6 144,156.6 148,156.6 152,156.6 156,156.6 180,156.6 98,160.6 102,160.6 106,160.6 110,160.6 114,160.6 118,160.6 122,160.6 170,160.6 174,160.6 100,164.6 104,164.6 108,164.6 112,164.6 116,164.6 120,164.6 124,164.6 128,164.6 132,164.6 136,164.6 140,164.6 144,164.6 148,164.6 152,164.6 156,164.6 160,164.6 164,164.6 168,164.6 172,164.6
  other v2: 135.507,91.76 135.507,109.916 135.507,128.152 130.706,130.052
"0V 8MHZ ISO": C12.1 C13.2 R00.2 | length 2.6
  Top Layer w0.25: C13.2@53.263,120.374 53.3,120.336 55.776,120.336 C12.1@55.813,120.299
  other v2: 62.6,119.875 47.3,120.075 60.775,121.375 48.6,121.5 54.625,123.9 59.975,127.15 62.725,127.45 50.3,127.475 47.725,127.575
"0V (ISO)": *3.7 BOOT1.5 BOOT1.6 C1.1 C2.1 C3.1 C4.1 C6.1 C8.1 C9.1 C34.1 C35.1 C36.1 C37.1 C38.1 C39.1 C41.1 C42.1 C43.1 R00.1 R2.1 R4.1 R5.1 R6.1 R12.2 R13.2 R28.1 SERIAL1.4 STLINK1.1 U1.8 U1.23 U1.35 U1.47 U6.2 U7.1 U7.3 U7.7 U7.9 U7.10 U10.2 U10.8 U11.2 U11.8 U12.2 U12.8 U14.2 U14.8 USB1.A1 USB1.A12 USB1.B1 USB1.B12 USB1.P1 | length 21.2
  Top Layer w0.25: v2(42.325,151) 42.337,151.012 44.138,151.012 C6.1@44.15,151.025 ; U1.47@46.577,141.449 U1.47@46.602,141.474 ; U1.47@46.64,141.449 50.024,141.449 v2(50.026,141.451) ; U1.35@48.84,148.149 48.865,148.124 48.865,147.185 49.675,146.375 v2(50.8,146.375) ; U1.8@51.84,139.249 51.84,140.329 52.2,140.689 v2(52.2,140.8) ; v2(53.699,145.949) U1.23@55.54,145.949 ; v2(91.575,116.625) 91.575,114.3 92.45,113.425 93.769,113.425 U12.2@93.788,113.406 ; v2(93.788,107.714) U12.8@93.788,109.566
  Top Layer w0.5: U6.2@67.65,115.575 67.65,114.4 ccw(c68.4,114.4) C37.1@68.4,113.65
  other v1: 28,104 32,104 36,104 40,104 44,104 48,104 52,104 56,104 60,104 64,104 76,104 38,108 46,108 50,108 54,108 58,108 62,108 90,108 28,112 32,112 36,112 48,112 30,116 34,116 38,116 42,116 50,116 54,116 58,116 70,116 74,116 78,116 82,116 28,120 32,120 36,120 72,120 84,120 88,120 30,124 34,124 42,124 94,124 28,128 32,128 40,128 76,128 80,128 84,128 38,132 50,132 58,132 70,132 74,132 78,132 82,132 86,132 94,132 28,136 32,136 40,136 34,140 66,140 70,140 78,140 82,140 94,140 88,144 92,144 66,148 70,148 74,148 78,148 82,148 86,148 94,148 64,152 72,152 76,152 80,152 84,152 30,156 58,156 70,156 74,156 78,156 82,156 86,156 94,156 36,160 44,160 48,160 56,160 60,160 64,160 68,160 72,160 76,160 80,160 84,160 88,160 92,160 34,164 38,164 42,164 46,164 50,164 54,164 58,164 62,164 66,164 70,164 74,164 78,164 82,164 86,164 90,164 94,164
"3.3V (ISO)": BOOT1.1 BOOT1.2 C2.2 C3.2 C4.2 C6.2 C34.2 C38.2 D1.A D2.A R1.2 SERIAL1.1 STLINK1.7 STLINK1.8 U1.1 U1.9 U1.24 U1.36 U1.48 U6.5 U10.1 U11.1 U12.1 U12.7 U14.1 | length 70.6
  Top Layer w0.25: v2(29.187,109.062) D1.A@31.098,109.062 ; SERIAL1.1@39.724,157.161 39.724,159.349 v2@39.725,159.35 ; v2(43.8,129.95) 44.32,130.47 D2.A@44.32,131.914 ; STLINK1.7@46.582,157.034 STLINK1.8@46.582,154.494 46.554,154.466 46.554,151.104 v2(46.525,151.075) 46.489,151.039 46.064,151.039 C6.2@44.15,149.125 48.1,149.125 48.34,148.885 U1.36@48.34,148.149 ; U1.48@46.64,140.949 44.213,140.949 C4.2@44.138,140.874 44.144,140.868 44.144,139.156 v2(44.15,139.15) 44.228,139.072 44.853,139.072 45.313,138.612 C2.2@45.313,137.299 47.224,137.299 48.34,138.415 U1.1@48.34,139.249 ; U1.9@52.34,139.249 52.34,137.685 v2(53.575,136.45) ; U1.24@55.54,146.449 59.282,146.449 59.881,147.048 59.881,147.995 C3.2@59.912,148.026 ; v2(57.875,148.025) C3.2@59.912,148.026 ; R1.2@59.724,133.539 59.725,133.537 v2(59.725,131.9) ; v2(59.775,152.125) 59.775,154.352 BOOT1.1@59.79,154.367 BOOT1.2@59.79,156.907 ; C3.2@59.912,148.026 C3.2@59.912,148.026 ; U6.5@66.7,117.937 C34.2@66.7,119.925 C38.2@66.7,122.151 v2(66.7,124.425) ; v2(88.492,127.867) U14.1@91.362,127.867 ; v2(88.631,141.794) U11.1@91.362,141.794 ; v2(88.65,155.8) 88.668,155.782 91.471,155.782 U10.1@91.489,155.764 ; v2(91.65,108.325) 91.65,109.55 92.287,110.187 93.769,110.187 U12.7@93.788,110.206 ; v2(93.725,116.875) 93.725,114.092 93.771,114.046 U12.1@93.788,114.046
  other v2: 39.726,159.351